# KiCad board MegaDrive.kicad_pcb (continued)
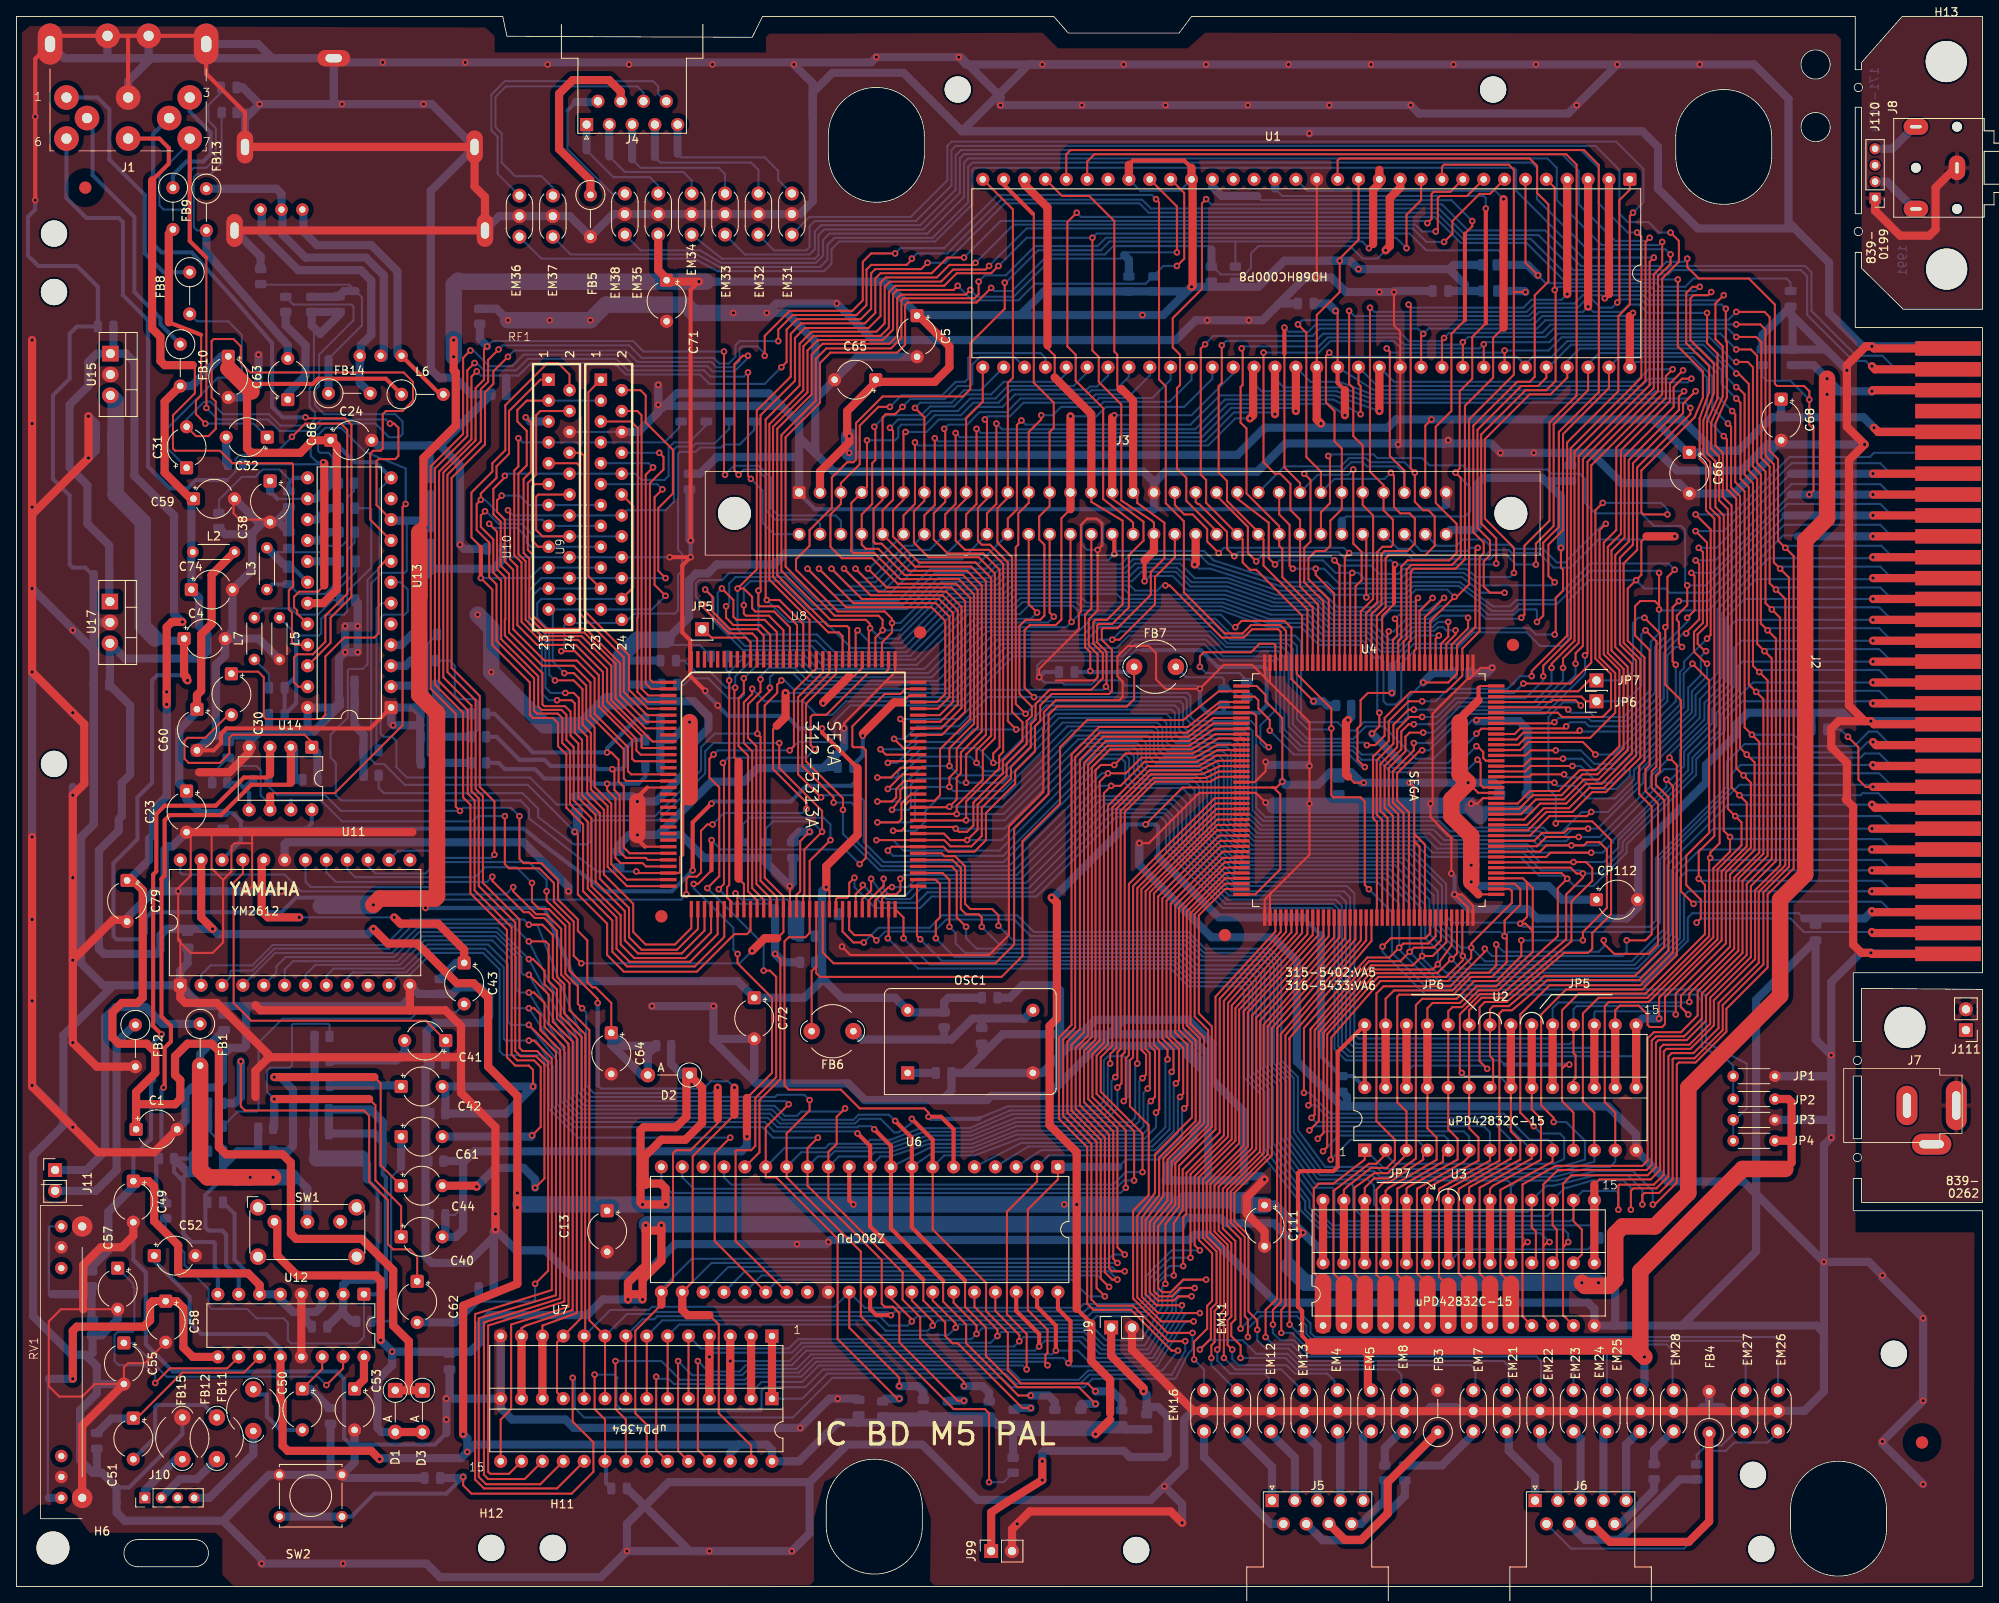
[diagram p0: board, top side]
## Library data of the parts
C1 C4 C5 C13 C23 C24 C30-C32 C38 C40-C44 C49-C53 C55 C57-C66 C68 C71 C72 C74 C79 C86 C111 CP112 = -: ki_fp_filters: CP_*
C2 C3 C6-C11 C14-C22 C25-C29 C33-C35 C37 C39 C45-C48 C69 C73 C75 C77 C78 C80-C83 C85 C87-C96 C102 C103 C105-C110 C112-C122 = -: ki_fp_filters: C_*
D1-D3 = -: Sim.Device: D; Sim.Pins: 1=K 2=A; ki_fp_filters: TO-???* *_Diode_* *SingleDiode* D_*
FB1-FB15 = -: ki_fp_filters: Inductor_* L_* *Ferrite*
FID1-FID6 = -: ki_fp_filters: Fiducial*
H1-H15 = -: ki_fp_filters: MountingHole*
J1 = -: Datasheet: http://www.mouser.com/ds/2/18/40_c091_abd_e-75918.pdf; ki_fp_filters: DIN*
J2 J3 = -: ki_fp_filters: Connector*:*_2x??_*
J4 = -: Description: 9-pin D-SUB connector, socket (female); ki_fp_filters: DSUB*Socket*
J5 J6 = -: Description: 9-pin D-SUB connector, pins (male); ki_fp_filters: DSUB*Pins*
J7 = -: ki_fp_filters: BarrelJack*
J8 = -: ki_fp_filters: Jack*
J9-J11 J99 J110 J111 JP5-JP7 = -: ki_fp_filters: Connector*:*_1x??_*
JP1-JP4 = -: ki_fp_filters: Jumper* TestPoint*2Pads* TestPoint*Bridge*
L2 L3 L5-L7 = -: ki_fp_filters: Choke_* *Coil* Inductor_* L_*
NT101 = -: Description: Net tie, 2 pins; ki_fp_filters: Net*Tie*
OSC1 = -: Datasheet: http://www.golledge.com/pdf/products/tcxos/gtxos14.pdf; Description: Voltage-Controlled Crystal Clock Oscillator, DIP14-style metal package; ki_fp_filters: Oscillator*DIP*14*
R1 R3-R12 R14-R43 R49-R59 R64-R74 R77-R85 = -: ki_fp_filters: R_*
RV1 = -: Description: Potentiometer; Sim.Device: R; Sim.Type: POT; Sim.Pins: 1=r0 2=wiper 3=r1; ki_fp_filters: Potentiometer*
U1 = -: Datasheet: https://www.nxp.com/docs/en/reference-manual/MC68000UM.pdf; Description: 16/32-bit microprocessor, 16-bit external data bus, 23-bit external address bus (effectively 24-bit), DIP-64 (900 mil, case 754-01); ki_fp_filters: DIP*W22.86mm*
U2 U3 = -: Datasheet: https://ecee.colorado.edu/~mcclurel/Cypress_SRAM_CY62256.pdf; ki_fp_filters: DIP*W15.24mm*
U6 = -: Datasheet: www.zilog.com/manage_directlink.php?filepath=docs/z80/um0080; ki_fp_filters: DIP* PDIP*
U7 = -: Datasheet: https://pdf1.alldatasheet.com/datasheet-pdf/view/107823/NEC/UPD4364.html; ki_fp_filters: DIP28
U9 U10 = -: Datasheet: https://segaretro.org/images/0/08/Sega_Service_Manual_-_Genesis_-_Mega_Drive_PAL_-_Mega_CD_-_Sega_CD_-_010_-_April_1994.pdf; ki_fp_filters: *ZIP*
U12 = -: Datasheet: https://pdf.datasheetcatalog.com/datasheet/sony/CXA1034P.pdf
U14 = -: Datasheet: http://www.ti.com/lit/ds/symlink/lm2904-n.pdf; ki_fp_filters: SOIC*3.9x4.9mm*P1.27mm* DIP*W7.62mm* TO*99* OnSemi*Micro8* TSSOP*3x3mm*P0.65mm* TSSOP*4.4x3mm*P0.65mm* MSOP*3x3mm*P0.65mm* SSOP*3.9x4.9mm*P0.635mm* LFCSP*2x2mm*P0.5mm* *SIP* SOIC*5.3x6.2mm*P1.27mm*
U15 U17 = -: Datasheet: http://www.st.com/content/ccc/resource/technical/document/datasheet/41/4f/b3/b0/12/d4/47/88/CD00000444.pdf/files/CD00000444.pdf/jcr:content/translations/en.CD00000444.pdf; ki_fp_filters: TO?252* TO?263* TO?220*

## Footprints (pads in the part's own frame, mm; a bottom-side part is the same pattern mirrored in y, then rotated)
BarrelJack_CUI_PJ-002A_Horizontal
  oval 2.54x6 hole 1x3.5: 1(5.1,-6.3)
  oval 2.54x4.8 hole 1x3: 2(-0.9,-6.3)
  oval 4.8x2.54 hole 3x1: 2(2.1,-11)
C_0805_2012Metric
  rrect 1x1.45 smd: 1(-0.95,0) 2(0.95,0)
CP_Radial_Tantal_D4.5mm_P5.00mm
  rrect 1.6x1.6 hole 0.8: 1(0,0)
  round 1.6 hole 0.8: 2(5,0)
D_A-405_P5.08mm_Vertical_AnodeUp
  rrect 1.8x1.8 hole 0.9: 1(0,0)
  round 1.8 hole 0.9: 2(5.08,0)
DIN8Video
  round 3 hole 1.25: 1(-7.5,-5) 2(-2.5,2.5) 2(0,-5) 2(2.5,2.5) 3(7.5,-5) 4(-5,-7.5) 5(5,-7.5) 6(-7.5,-10) 7(7.5,-10) 8(0,-10)
  oval 3x5 hole 1.25x2: 2(-9.5,1.5) 2(9.5,1.5)
DIP-8_W7.62mm
  rrect 1.6x1.6 hole 0.8: 1(0,0)
  round 1.6 hole 0.8: 2(0,-2.54) 3(0,-5.08) 4(0,-7.62) 5(7.62,-7.62) 6(7.62,-5.08) 7(7.62,-2.54) 8(7.62,0)
DIP-16_W7.62mm
  rrect 1.6x1.6 hole 0.8: 1(0,0)
  round 1.6 hole 0.8: 2(0,-2.54) 3(0,-5.08) 4(0,-7.62) 5(0,-10.16) 6(0,-12.7) 7(0,-15.24) 8(0,-17.78) 9(7.62,-17.78) 10(7.62,-15.24) 11(7.62,-12.7) 12(7.62,-10.16) 13(7.62,-7.62) 14(7.62,-5.08) 15(7.62,-2.54) 16(7.62,0)
DIP-24_W10.16mm
  rrect 1.6x1.6 hole 0.8: 1(0,0)
  round 1.6 hole 0.8: 2(0,-2.54) 3(0,-5.08) 4(0,-7.62) 5(0,-10.16) 6(0,-12.7) 7(0,-15.24) 8(0,-17.78) 9(0,-20.32) 10(0,-22.86) 11(0,-25.4) 12(0,-27.94) 13(10.16,-27.94) 14(10.16,-25.4) 15(10.16,-22.86) 16(10.16,-20.32) 17(10.16,-17.78) 18(10.16,-15.24) 19(10.16,-12.7) 20(10.16,-10.16) 21(10.16,-7.62) 22(10.16,-5.08) 23(10.16,-2.54) 24(10.16,0)
DIP-24_W15.24mm
  rrect 1.6x1.6 hole 0.8: 1(0,0)
  round 1.6 hole 0.8: 2(0,-2.54) 3(0,-5.08) 4(0,-7.62) 5(0,-10.16) 6(0,-12.7) 7(0,-15.24) 8(0,-17.78) 9(0,-20.32) 10(0,-22.86) 11(0,-25.4) 12(0,-27.94) 13(15.24,-27.94) 14(15.24,-25.4) 15(15.24,-22.86) 16(15.24,-20.32) 17(15.24,-17.78) 18(15.24,-15.24) 19(15.24,-12.7) 20(15.24,-10.16) 21(15.24,-7.62) 22(15.24,-5.08) 23(15.24,-2.54) 24(15.24,0)
DIP-28_DoubleFirst
  rect 1.6x1.6 hole 0.8: 1(0,0) 1(7.62,0)
  oval 1.6x1.6 hole 0.8: 2(0,-2.54) 2(7.62,-2.54) 3(0,-5.08) 3(7.62,-5.08) 4(0,-7.62) 4(7.62,-7.62) 5(0,-10.16) 5(7.62,-10.16) 6(0,-12.7) 6(7.62,-12.7) 7(0,-15.24) 7(7.62,-15.24) 8(0,-17.78) 8(7.62,-17.78) 9(0,-20.32) 9(7.62,-20.32) 10(0,-22.86) 10(7.62,-22.86) 11(0,-25.4) 11(7.62,-25.4) 12(0,-27.94) 12(7.62,-27.94) 13(0,-30.48) 13(7.62,-30.48) 14(0,-33.02) 14(7.62,-33.02) 15(15.24,-33.02) 16(15.24,-30.48) 17(15.24,-27.94) 18(15.24,-25.4) 19(15.24,-22.86) 20(15.24,-20.32) 21(15.24,-17.78) 22(15.24,-15.24) 23(15.24,-12.7) 24(15.24,-10.16) 25(15.24,-7.62) 26(15.24,-5.08) 27(15.24,-2.54) 28(15.24,0)
DIP-28_DoubleLast
  rect 1.6x1.6 hole 0.8: 1(0,0)
  oval 1.6x1.6 hole 0.8: 2(0,-2.54) 3(0,-5.08) 4(0,-7.62) 5(0,-10.16) 6(0,-12.7) 7(0,-15.24) 8(0,-17.78) 9(0,-20.32) 10(0,-22.86) 11(0,-25.4) 12(0,-27.94) 13(0,-30.48) 14(0,-33.02) 15(7.62,-33.02) 15(15.24,-33.02) 16(7.62,-30.48) 16(15.24,-30.48) 17(7.62,-27.94) 17(15.24,-27.94) 18(7.62,-25.4) 18(15.24,-25.4) 19(7.62,-22.86) 19(15.24,-22.86) 20(7.62,-20.32) 20(15.24,-20.32) 21(7.62,-17.78) 21(15.24,-17.78) 22(7.62,-15.24) 22(15.24,-15.24) 23(7.62,-12.7) 23(15.24,-12.7) 24(7.62,-10.16) 24(15.24,-10.16) 25(7.62,-7.62) 25(15.24,-7.62) 26(7.62,-5.08) 26(15.24,-5.08) 27(7.62,-2.54) 27(15.24,-2.54) 28(7.62,0) 28(15.24,0)
DIP-40_W15.24mm
  rrect 1.6x1.6 hole 0.8: 1(0,0)
  round 1.6 hole 0.8: 2(0,-2.54) 3(0,-5.08) 4(0,-7.62) 5(0,-10.16) 6(0,-12.7) 7(0,-15.24) 8(0,-17.78) 9(0,-20.32) 10(0,-22.86) 11(0,-25.4) 12(0,-27.94) 13(0,-30.48) 14(0,-33.02) 15(0,-35.56) 16(0,-38.1) 17(0,-40.64) 18(0,-43.18) 19(0,-45.72) 20(0,-48.26) 21(15.24,-48.26) 22(15.24,-45.72) 23(15.24,-43.18) 24(15.24,-40.64) 25(15.24,-38.1) 26(15.24,-35.56) 27(15.24,-33.02) 28(15.24,-30.48) 29(15.24,-27.94) 30(15.24,-25.4) 31(15.24,-22.86) 32(15.24,-20.32) 33(15.24,-17.78) 34(15.24,-15.24) 35(15.24,-12.7) 36(15.24,-10.16) 37(15.24,-7.62) 38(15.24,-5.08) 39(15.24,-2.54) 40(15.24,0)
DIP-64_W22.86mm
  rrect 1.6x1.6 hole 0.8: 1(0,0)
  round 1.6 hole 0.8: 2(0,-2.54) 3(0,-5.08) 4(0,-7.62) 5(0,-10.16) 6(0,-12.7) 7(0,-15.24) 8(0,-17.78) 9(0,-20.32) 10(0,-22.86) 11(0,-25.4) 12(0,-27.94) 13(0,-30.48) 14(0,-33.02) 15(0,-35.56) 16(0,-38.1) 17(0,-40.64) 18(0,-43.18) 19(0,-45.72) 20(0,-48.26) 21(0,-50.8) 22(0,-53.34) 23(0,-55.88) 24(0,-58.42) 25(0,-60.96) 26(0,-63.5) 27(0,-66.04) 28(0,-68.58) 29(0,-71.12) 30(0,-73.66) 31(0,-76.2) 32(0,-78.74) 33(22.86,-78.74) 34(22.86,-76.2) 35(22.86,-73.66) 36(22.86,-71.12) 37(22.86,-68.58) 38(22.86,-66.04) 39(22.86,-63.5) 40(22.86,-60.96) 41(22.86,-58.42) 42(22.86,-55.88) 43(22.86,-53.34) 44(22.86,-50.8) 45(22.86,-48.26) 46(22.86,-45.72) 47(22.86,-43.18) 48(22.86,-40.64) 49(22.86,-38.1) 50(22.86,-35.56) 51(22.86,-33.02) 52(22.86,-30.48) 53(22.86,-27.94) 54(22.86,-25.4) 55(22.86,-22.86) 56(22.86,-20.32) 57(22.86,-17.78) 58(22.86,-15.24) 59(22.86,-12.7) 60(22.86,-10.16) 61(22.86,-7.62) 62(22.86,-5.08) 63(22.86,-2.54) 64(22.86,0)
DSUB-9_Pins_Horizontal_P2.77x2.84mm_EdgePinOffset9.40mm
  rect 1.6x1.6 hole 1: 1(0,0)
  round 1.6 hole 1: 2(2.77,0) 3(5.54,0) 4(8.31,0) 5(11.08,0) 6(1.385,-2.84) 7(4.155,-2.84) 8(6.925,-2.84) 9(9.695,-2.84)
DSUB-9_Socket_Horizontal_P2.77x2.84mm_EdgePinOffset9.40mm
  rect 1.6x1.6 hole 1: 1(0,0)
  round 1.6 hole 1: 2(-2.77,0) 3(-5.54,0) 4(-8.31,0) 5(-11.08,0) 6(-1.385,-2.84) 7(-4.155,-2.84) 8(-6.925,-2.84) 9(-9.695,-2.84)
Expansion
  rect 1.75x8 smd: a1(-35.56,-2.54) a2(-33.02,-2.54) a3(-30.48,-2.54) a4(-27.94,-2.54) a5(-25.4,-2.54) a6(-22.86,-2.54) a7(-20.32,-2.54) a8(-17.78,-2.54) a9(-15.24,-2.54) a10(-12.7,-2.54) a11(-10.16,-2.54) a12(-7.62,-2.54) a13(-5.08,-2.54) a14(-2.54,-2.54) a15(0,-2.54) a16(2.54,-2.54) a17(5.08,-2.54) a18(7.62,-2.54) a19(10.16,-2.54) a20(12.7,-2.54) a21(15.24,-2.54) a22(17.78,-2.54) a23(20.32,-2.54) a24(22.86,-2.54) a25(25.4,-2.54) a26(27.94,-2.54) a27(30.48,-2.54) a28(33.02,-2.54) a29(35.56,-2.54) a30(38.1,-2.54)
  rect 1.75x8 smd far side: b1(-35.56,-2.54) b2(-33.02,-2.54) b3(-30.48,-2.54) b4(-27.94,-2.54) b5(-25.4,-2.54) b6(-22.86,-2.54) b7(-20.32,-2.54) b8(-17.78,-2.54) b9(-15.24,-2.54) b10(-12.7,-2.54) b11(-10.16,-2.54) b12(-7.62,-2.54) b13(-5.08,-2.54) b14(-2.54,-2.54) b15(0,-2.54) b16(2.54,-2.54) b17(5.08,-2.54) b18(7.62,-2.54) b19(10.16,-2.54) b20(12.7,-2.54) b21(15.24,-2.54) b22(17.78,-2.54) b23(20.32,-2.54) b24(22.86,-2.54) b25(25.4,-2.54) b26(27.94,-2.54) b27(30.48,-2.54) b28(33.02,-2.54) b29(35.56,-2.54) b30(38.1,-2.54)
Fiducial_1.5mm_Mask4.5mm
  round 1.5 smd: (0,0)
HeadphoneVolumeSlider
  round 1.524 hole 0.762: 1(-2.54,-7.62) 1(-2.54,-35.56) 2(-2.54,-10.16) 2(-2.54,-38.1) 3(-2.54,-5.08) 3(-2.54,-33.02)
  round 2.5 hole 1: 1(0,-5.08) 1(0,-38.1)
Jack_3.5mm
  round 1.2 hole 1.2 unplated: (-5,0) (0,5) (5,0)
  oval 2x3 hole 0.4x1.4: R(-5,5) T(5,5)
  oval 3x2 hole 1.4x0.4: S(0,0)
L_Axial_L7.0mm_D3.3mm_P5.08mm_Vertical_Fastron_MICC
  round 1.6 hole 0.8: 1(0,0) 2(5.08,0)
LairdTech_28C0236-0JW-10
  round 2 hole 0.8: 1(0,0) 2(5.08,0)
MountingHole_3.2mm_M3
  round 3.2 hole 3.2 unplated: (0,0)
MountingHole_4mm
  round 4 hole 4 unplated: (0,0)
MountingHole_5mm
  round 5 hole 5 unplated: (0,0)
NetTie-2_SMD_Pad2.0mm
  round 2 smd: 1(-2,0) 2(2,0)
Oscillator_DIP-14
  rect 1.6x1.6 hole 0.8: 1(0,0)
  round 1.6 hole 0.8: 7(15.24,0) 8(15.24,7.62) 14(0,7.62)
PinHeader_1x02_P2.54mm_Vertical
  rect 1.7x1.7 hole 1: 1(0,0)
  round 1.7 hole 1: 2(0,-2.54)
PinHeader_1x04_P2.00mm_Vertical
  rect 1.35x1.35 hole 0.8: 1(0,0)
  round 1.35 hole 0.8: 2(0,-2) 3(0,-4) 4(0,-6)
PinSocket_1x01_P2.54mm_Vertical
  rect 1.7x1.7 hole 1: 1(0,0)
PinSocket_1x02_P2.54mm_Vertical
  rect 1.7x1.7 hole 1: 1(0,0)
  round 1.7 hole 1: 2(0,-2.54)
QFP128
  rect 0.4x2 smd: 1(-12.4,-15.2) 2(-11.6,-15.2) 3(-10.8,-15.2) 4(-10,-15.2) 5(-9.2,-15.2) 6(-8.4,-15.2) 7(-7.6,-15.2) 8(-6.8,-15.2) 9(-6,-15.2) 10(-5.2,-15.2) 11(-4.4,-15.2) 12(-3.6,-15.2) 13(-2.8,-15.2) 14(-2,-15.2) 15(-1.2,-15.2) 16(-0.4,-15.2) 17(0.4,-15.2) 18(1.2,-15.2) 19(2,-15.2) 20(2.8,-15.2) 21(3.6,-15.2) 22(4.4,-15.2) 23(5.2,-15.2) 24(6,-15.2) 25(6.8,-15.2) 26(7.6,-15.2) 27(8.4,-15.2) 28(9.2,-15.2) 29(10,-15.2) 30(10.8,-15.2) 31(11.6,-15.2) 32(12.4,-15.2) 65(12.4,15.2) 66(11.6,15.2) 67(10.8,15.2) 68(10,15.2) 69(9.2,15.2) 70(8.4,15.2) 71(7.6,15.2) 72(6.8,15.2) 73(6,15.2) 74(5.2,15.2) 75(4.4,15.2) 76(3.6,15.2) 77(2.8,15.2) 78(2,15.2) 79(1.2,15.2) 80(0.4,15.2) 81(-0.4,15.2) 82(-1.2,15.2) 83(-2,15.2) 84(-2.8,15.2) 85(-3.6,15.2) 86(-4.4,15.2) 87(-5.2,15.2) 88(-6,15.2) 89(-6.8,15.2) 90(-7.6,15.2) 91(-8.4,15.2) 92(-9.2,15.2) 93(-10,15.2) 94(-10.8,15.2) 95(-11.6,15.2) 96(-12.4,15.2)
  rect 2x0.4 smd: 33(15.2,-12.4) 34(15.2,-11.6) 35(15.2,-10.8) 36(15.2,-10) 37(15.2,-9.2) 38(15.2,-8.4) 39(15.2,-7.6) 40(15.2,-6.8) 41(15.2,-6) 42(15.2,-5.2) 43(15.2,-4.4) 44(15.2,-3.6) 45(15.2,-2.8) 46(15.2,-2) 47(15.2,-1.2) 48(15.2,-0.4) 49(15.2,0.4) 50(15.2,1.2) 51(15.2,2) 52(15.2,2.8) 53(15.2,3.6) 54(15.2,4.4) 55(15.2,5.2) 56(15.2,6) 57(15.2,6.8) 58(15.2,7.6) 59(15.2,8.4) 60(15.2,9.2) 61(15.2,10) 62(15.2,10.8) 63(15.2,11.6) 64(15.2,12.4) 97(-15.2,12.4) 98(-15.2,11.6) 99(-15.2,10.8) 100(-15.2,10) 101(-15.2,9.2) 102(-15.2,8.4) 103(-15.2,7.6) 104(-15.2,6.8) 105(-15.2,6) 106(-15.2,5.2) 107(-15.2,4.4) 108(-15.2,3.6) 109(-15.2,2.8) 110(-15.2,2) 111(-15.2,1.2) 112(-15.2,0.4) 113(-15.2,-0.4) 114(-15.2,-1.2) 115(-15.2,-2) 116(-15.2,-2.8) 117(-15.2,-3.6) 118(-15.2,-4.4) 119(-15.2,-5.2) 120(-15.2,-6) 121(-15.2,-6.8) 122(-15.2,-7.6) 123(-15.2,-8.4) 124(-15.2,-9.2) 125(-15.2,-10) 126(-15.2,-10.8) 127(-15.2,-11.6) 128(-15.2,-12.4)
QFP-160_28x28_Pitch0.65mm
  rect 2x0.4 smd: 1(-15.5,12.675) 2(-15.5,12.025) 3(-15.5,11.375) 4(-15.5,10.725) 5(-15.5,10.075) 6(-15.5,9.425) 7(-15.5,8.775) 8(-15.5,8.125) 9(-15.5,7.475) 10(-15.5,6.825) 11(-15.5,6.175) 12(-15.5,5.525) 13(-15.5,4.875) 14(-15.5,4.225) 15(-15.5,3.575) 16(-15.5,2.925) 17(-15.5,2.275) 18(-15.5,1.625) 19(-15.5,0.975) 20(-15.5,0.325) 21(-15.5,-0.325) 22(-15.5,-0.975) 23(-15.5,-1.625) 24(-15.5,-2.275) 25(-15.5,-2.925) 26(-15.5,-3.575) 27(-15.5,-4.225) 28(-15.5,-4.875) 29(-15.5,-5.525) 30(-15.5,-6.175) 31(-15.5,-6.825) 32(-15.5,-7.475) 33(-15.5,-8.125) 34(-15.5,-8.775) 35(-15.5,-9.425) 36(-15.5,-10.075) 37(-15.5,-10.725) 38(-15.5,-11.375) 39(-15.5,-12.025) 40(-15.5,-12.675) 81(15.5,-12.675) 82(15.5,-12.025) 83(15.5,-11.375) 84(15.5,-10.725) 85(15.5,-10.075) 86(15.5,-9.425) 87(15.5,-8.775) 88(15.5,-8.125) 89(15.5,-7.475) 90(15.5,-6.825) 91(15.5,-6.175) 92(15.5,-5.525) 93(15.5,-4.875) 94(15.5,-4.225) 95(15.5,-3.575) 96(15.5,-2.925) 97(15.5,-2.275) 98(15.5,-1.625) 99(15.5,-0.975) 100(15.5,-0.325) 101(15.5,0.325) 102(15.5,0.975) 103(15.5,1.625) 104(15.5,2.275) 105(15.5,2.925) 106(15.5,3.575) 107(15.5,4.225) 108(15.5,4.875) 109(15.5,5.525) 110(15.5,6.175) 111(15.5,6.825) 112(15.5,7.475) 113(15.5,8.125) 114(15.5,8.775) 115(15.5,9.425) 116(15.5,10.075) 117(15.5,10.725) 118(15.5,11.375) 119(15.5,12.025) 120(15.5,12.675)
  rect 0.4x2 smd: 41(-12.675,-15.5) 42(-12.025,-15.5) 43(-11.375,-15.5) 44(-10.725,-15.5) 45(-10.075,-15.5) 46(-9.425,-15.5) 47(-8.775,-15.5) 48(-8.125,-15.5) 49(-7.475,-15.5) 50(-6.825,-15.5) 51(-6.175,-15.5) 52(-5.525,-15.5) 53(-4.875,-15.5) 54(-4.225,-15.5) 55(-3.575,-15.5) 56(-2.925,-15.5) 57(-2.275,-15.5) 58(-1.625,-15.5) 59(-0.975,-15.5) 60(-0.325,-15.5) 61(0.325,-15.5) 62(0.975,-15.5) 63(1.625,-15.5) 64(2.275,-15.5) 65(2.925,-15.5) 66(3.575,-15.5) 67(4.225,-15.5) 68(4.875,-15.5) 69(5.525,-15.5) 70(6.175,-15.5) 71(6.825,-15.5) 72(7.475,-15.5) 73(8.125,-15.5) 74(8.775,-15.5) 75(9.425,-15.5) 76(10.075,-15.5) 77(10.725,-15.5) 78(11.375,-15.5) 79(12.025,-15.5) 80(12.675,-15.5) 121(12.675,15.5) 122(12.025,15.5) 123(11.375,15.5) 124(10.725,15.5) 125(10.075,15.5) 126(9.425,15.5) 127(8.775,15.5) 128(8.125,15.5) 129(7.475,15.5) 130(6.825,15.5) 131(6.175,15.5) 132(5.525,15.5) 133(4.875,15.5) 134(4.225,15.5) 135(3.575,15.5) 136(2.925,15.5) 137(2.275,15.5) 138(1.625,15.5) 139(0.975,15.5) 140(0.325,15.5) 141(-0.325,15.5) 142(-0.975,15.5) 143(-1.625,15.5) 144(-2.275,15.5) 145(-2.925,15.5) 146(-3.575,15.5) 147(-4.225,15.5) 148(-4.875,15.5) 149(-5.525,15.5) 150(-6.175,15.5) 151(-6.825,15.5) 152(-7.475,15.5) 153(-8.125,15.5) 154(-8.775,15.5) 155(-9.425,15.5) 156(-10.075,15.5) 157(-10.725,15.5) 158(-11.375,15.5) 159(-12.025,15.5) 160(-12.675,15.5)
R_0805_2012Metric
  rrect 1.025x1.4 smd: 1(-0.912,0) 2(0.912,0)
R_Axial_DIN0204_L3.6mm_D1.6mm_P5.08mm_Horizontal
  round 1.4 hole 0.7: 1(0,0) 2(5.08,0)
Resonator-3Pin_W6.0mm_H3.0mm
  round 1.7 hole 1: 1(0,0) 2(2.5,0) 3(5,0)
RFmod
  round 1.524 hole 0.762: 1(-6.985,-25.4) 1(5.08,-43.18) 2(-9.525,-25.4) 2(2.54,-43.18) 3(-12.065,-25.4) 3(0,-43.18)
  oval 2x4 hole 1x2: 4(-15.24,-27.94) 4(-13.97,-17.78) 4(13.97,-17.78) 4(15.24,-27.94)
  oval 4x2 hole 2x1: 4(-3.175,-6.985)
SEGA_2x32_Female_Vertical_THT
  round 4 hole 4 unplated: (-47.244,0) (47.244,0)
  rrect 1.55x1.55 hole 1: a1(-39.37,2.54)
  round 1.55 hole 1: a2(-36.83,2.54) a3(-34.29,2.54) a4(-31.75,2.54) a5(-29.21,2.54) a6(-26.67,2.54) a7(-24.13,2.54) a8(-21.59,2.54) a9(-19.05,2.54) a10(-16.51,2.54) a11(-13.97,2.54) a12(-11.43,2.54) a13(-8.89,2.54) a14(-6.35,2.54) a15(-3.81,2.54) a16(-1.27,2.54) a17(1.27,2.54) a18(3.81,2.54) a19(6.35,2.54) a20(8.89,2.54) a21(11.43,2.54) a22(13.97,2.54) a23(16.51,2.54) a24(19.05,2.54) a25(21.59,2.54) a26(24.13,2.54) a27(26.67,2.54) a28(29.21,2.54) a29(31.75,2.54) a30(34.29,2.54) a31(36.83,2.54) a32(39.37,2.54) b1(-39.37,-2.54) b2(-36.83,-2.54) b3(-34.29,-2.54) b4(-31.75,-2.54) b5(-29.21,-2.54) b6(-26.67,-2.54) b7(-24.13,-2.54) b8(-21.59,-2.54) b9(-19.05,-2.54) b10(-16.51,-2.54) b11(-13.97,-2.54) b12(-11.43,-2.54) b13(-8.89,-2.54) b14(-6.35,-2.54) b15(-3.81,-2.54) b16(-1.27,-2.54) b17(1.27,-2.54) b18(3.81,-2.54) b19(6.35,-2.54) b20(8.89,-2.54) b21(11.43,-2.54) b22(13.97,-2.54) b23(16.51,-2.54) b24(19.05,-2.54) b25(21.59,-2.54) b26(24.13,-2.54) b27(26.67,-2.54) b28(29.21,-2.54) b29(31.75,-2.54) b30(34.29,-2.54) b31(36.83,-2.54) b32(39.37,-2.54)
SW_E-Switch_EG1224_SPDT_Angled
  round 2 hole 1.2: (-2,1.75) (-2,-4.25) (10,1.75) (10,-4.25)
  round 1.7 hole 0.9: 1(0,0) 2(4,0) 3(8,0)
SW_Tactile_Straight_KSA0Axx1LFTR
  round 1.397 hole 0.813: 1(0,0) 1(7.62,0) 2(0,-5.08) 2(7.62,-5.08)
TO-220-3_Vertical
  rect 1.905x2 hole 1.1: 1(0,0)
  oval 1.905x2 hole 1.1: 2(2.54,0) 3(5.08,0)
ZIP-24
  rect 1.524x1.524 hole 0.762: 1(-1.27,-5.08)
  round 1.524 hole 0.762: 2(1.27,-6.35) 3(-1.27,-7.62) 4(1.27,-8.89) 5(-1.27,-10.16) 6(1.27,-11.43) 7(-1.27,-12.7) 8(1.27,-13.97) 9(-1.27,-15.24) 10(1.27,-16.51) 11(-1.27,-17.78) 12(1.27,-19.05) 13(-1.27,-20.32) 14(1.27,-21.59) 15(-1.27,-22.86) 16(1.27,-24.13) 17(-1.27,-25.4) 18(1.27,-26.67) 19(-1.27,-27.94) 20(1.27,-29.21) 21(-1.27,-30.48) 22(1.27,-31.75) 23(-1.27,-33.02) 24(1.27,-34.29)

## Nets
+9V: C1.1 C2.1 C79.1 C83.1 D1.1 D3.1 U15.1 U17.1
+9VA: C89.1 C91.1 D1.2 D3.2 J2.a28 J2.b28 SW1.1
GND: C1.2 C2.2 C3.2 C4.2 C5.2 C6.2 C7.2 C8.2 C9.2 C10.2 C11.2 C13.2 C14.2 C15.2 C16.2 C17.2 C18.2 C19.2 C20.2 C21.2 C22.2 C23.2 C24.2 C29.2 C34.2 C37.2 C38.2 C39.2 C49.2 C52.2 C53.2 C55.2 C57.2 C58.2 C59.2 C60.2 C63.2 C64.2 C65.2 C66.2 C68.2 C69.1 C71.2 C72.2 C73.2 C74.2 C75.2 C77.1 C78.2 C79.2 C80.2 C81.1 C82.2 C83.2 C85.1 C88.2 C89.2 C90.2 C91.2 C92.1 C93.2 C94.1 C95.2 C102.2 C103.2 C105.2 C106.2 C107.2 C108.2 C109.2 C110.2 C111.2 C112.1 C113.2 C114.2 C115.2 C116.2 C117.2 C118.2 C119.2 C120.2 C121.2 C122.2 CP112.2 EM4.2 EM5.2 EM7.2 EM8.2 EM11.2 EM12.2 EM13.2 EM16.2 EM21.2 EM22.2 EM23.2 EM24.2 EM25.2 EM26.2 EM27.2 EM28.2 EM31.2 EM32.2 EM33.2 EM34.2 EM35.2 EM36.2 EM37.2 EM38.2 FB2.2 FB3.2 FB4.2 FB5.2 FB15.2 J1.2 J2.a1 J2.a12 J2.a30 J2.b1 J2.b12 J2.b30 J3.a1 J3.a18 J3.a32 J9.2 J99.2 JP1.2 JP3.2 L5.1 OSC1.7 R18.1 R20.1 R22.1 R24.1 R26.1 R30.1 R31.2 R32.1 R33.1 R49.1 R50.1 R53.2 R54.2 R66.2 R71.1 R73.1 RF1.4 RV1.1 SW2.1 U1.16 U1.53 U2.14 U3.14 U4.19 U4.21 U4.41 U4.42 U4.79 U4.80 U4.99 U4.121 U4.122 U4.159 U4.160 U6.29 U7.14 U8.17 U8.26 U8.48 U8.96 U8.97 U9.6 U10.6 U11.1 U11.12 U11.19 U12.4 U12.13 U13.1 U13.24 U14.4 U15.2 U17.2
VCC: C3.1 C4.1 C5.1 C6.1 C18.1 C19.1 C20.1 C21.1 C65.1 C66.1 C68.1 C71.1 C72.1 EM35.1 J2.a26 J2.b26 J3.a2 J3.a31 OSC1.14 R8.2 R9.2 R10.2 R11.2 R12.2 R14.2 R15.2 R16.1 R68.2 R69.2 U1.14 U1.22 U1.25 U1.49 U8.54 U8.128 U9.18 U10.18 U15.3
VCCQ: C7.1 C8.1 C9.1 C10.1 C13.1 C14.1 C15.1 C22.1 C52.1 C59.1 C63.1 C73.1 C74.1 C111.1 CP112.1 D2.1 EM5.1 EM25.1 FB10.2 JP2.2 JP4.2 L2.1 NT101.1 R1.1 R3.1 R59.1 R67.2 R77.1 R78.1 R79.1 R80.1 R81.1 R82.1 R83.1 R84.1 U2.28 U3.28 U4.1 U4.20 U4.40 U4.69 U4.70 U4.71 U4.81 U4.100 U4.120 U6.11 U7.26 U7.28 U11.23 U12.12 U17.3
VDDA: C17.1 C23.1 C60.1 C69.2 L2.2 U8.94 U11.22 U14.8
VDDF: C16.1 C24.1 L6.1 NT101.2 R55.1 R56.1 R57.1 U8.30 U13.12 U13.19
/A0: U8.31 U9.11 U9.23 U10.23
/A1: U8.32 U9.12 U9.22 U10.22
/A2: U8.33 U9.1 U9.21 U10.21
/A3: U8.34 U9.2 U9.20 U10.20
/A4: U8.35 U9.17 U10.11 U10.17
/A5: U8.36 U9.16 U10.12 U10.16
/A6: U8.37 U9.15 U10.1 U10.15
/A7: U8.38 U9.19 U10.2 U10.19
/AudioShield: J8.S J110.1
/BG: U1.11 U4.130 U8.101
/BGACK: R11.1 U1.12 U4.131 U8.100
/BR: R12.1 U1.13 U4.132 U8.99
/DCin1: J7.1 J111.2
/DCin2: J7.2 J111.1
/EDCK: C112.2 FB7.1 J3.b15 U8.53
/FC0: U1.28 U4.136
/FC1: U1.27 U4.137
/FRES: J2.a25 U4.105
/iA14: U2.26 U4.117
/IPL1: R10.1 U1.24 U8.104
/IPL2: R9.1 U1.23 U8.105
/NTSC: JP3.1 JP4.1 U4.154 U8.46 U13.7
/SD0: U8.1 U9.8
/SD1: U8.2 U9.9
/SD2: U8.3 U9.4
/SD3: U8.4 U9.5
/SD4: U8.5 U10.8
/SD5: U8.6 U10.9
/SD6: U8.7 U10.4
/SD7: U8.8 U10.5
/SL1: C42.2 J3.b1 R32.2
/SL2: C61.2 J2.b29 R50.2
/SR1: C44.2 J3.b3 R33.2
/SR2: C62.2 J2.a29 R49.2
/VA1: C90.1 J2.b3 J3.a17 U1.29 U2.10 U3.10 U4.73 U8.71
/VA2: J2.b4 J3.a15 U1.30 U2.9 U3.9 U4.74 U8.72
/VA3: J2.b5 J3.a13 U1.31 U2.8 U3.8 U4.75 U8.73
/VA4: J2.b6 J3.a11 U1.32 U2.7 U3.7 U4.76 U8.74
/VA5: J2.b7 J3.a9 U1.33 U2.6 U3.6 U4.77 U8.75
/VA6: J2.b8 J3.a7 U1.34 U2.5 U3.5 U4.78 U8.76
/VA7: C120.1 J2.b9 J3.a5 U1.35 U2.4 U3.4 U4.82 U8.77
/VA8: J2.b10 J3.a3 U1.36 U2.3 U3.3 U4.83 U8.78
/VA9: J2.b11 J3.b4 U1.37 U2.25 U3.25 U4.84 U8.79
/VA10: J2.b13 J3.b5 U1.38 U2.24 U3.24 U4.85 U8.80
/VA11: J2.b14 J3.a4 U1.39 U2.21 U3.21 U4.86 U8.81
/VA12: J2.b15 J3.a6 U1.40 U2.23 U3.23 U4.87 U8.82
/VA13: J2.b16 J3.a8 U1.41 U2.2 U3.2 U4.88 U8.83
/VA14: J2.b17 J3.a10 U1.42 U3.26 U4.89 U8.84
/VA15: J2.b18 J3.a12 U1.43 U2.1 U3.1 U4.90 U8.85
/VA16: J2.b19 J3.a14 U1.44 U4.91 U8.86
/VA17: J2.b20 J3.a16 U1.45 U4.92 U8.87
/VA18: J3.b6 U1.46 U4.93 U8.88
/VA19: J3.b7 U1.47 U4.94 U8.89
/VA20: J3.b8 U1.48 U4.95 U8.90
/VA21: C81.2 J3.b9 U1.50 U4.96 U8.91
/VA22: J3.b10 U1.51 U4.97 U8.92
/VA23: J3.b11 U1.52 U4.98 U8.93
/VCLK: J3.b19 U1.15 U4.123 U11.24
/VD0: J2.a4 J3.a20 U1.5 U2.11 U4.138 U8.55
/VD1: J2.a5 J3.a23 U1.4 U2.12 U4.139 U8.56
/VD2: J2.a6 J3.a26 U1.3 U2.13 U4.140 U8.57
/VD3: J2.a7 J3.a29 U1.2 U2.15 U4.141 U8.58
/VD4: J2.a8 J3.a28 U1.1 U2.16 U4.142 U8.59
/VD5: J2.a9 J3.a25 U1.64 U2.17 U4.143 U8.60
/VD6: J2.a10 J3.a22 U1.63 U2.18 U4.144 U8.61
/VD7: J2.a11 J3.a19 U1.62 U2.19 U4.145 U8.62
/VD8: J2.a13 J3.a21 U1.61 U3.11 U4.146 U8.63
/VD9: J2.a14 J3.a24 U1.60 U3.12 U4.147 U8.64
/VD10: J2.a15 J3.a27 U1.59 U3.13 U4.148 U8.65
/VD11: J2.a16 J3.a30 U1.58 U3.15 U4.149 U8.66
/VD12: J2.a17 J3.b25 U1.57 U3.16 U4.150 U8.67
/VD13: J2.a18 J3.b24 U1.56 U3.17 U4.151 U8.68
/VD14: J2.a19 J3.b23 U1.55 U3.18 U4.152 U8.69
/VD15: J2.a20 J3.b22 U1.54 U3.19 U4.153 U8.70
/VREF: C38.1 R29.1 U13.14 U14.6
/ZA0: R59.2 U4.47 U6.30 U7.10 U11.17
/ZA1: U4.46 U6.31 U7.9 U11.18
/ZA2: U4.45 U6.32 U7.8
/ZA3: U4.44 U6.33 U7.7
/ZA4: U4.43 U6.34 U7.6
/ZA5: U4.39 U6.35 U7.5
/ZA6: U4.38 U6.36 U7.4
/ZA7: U4.37 U6.37 U7.3
/ZA8: U4.36 U6.38 U7.25
/ZA9: U4.35 U6.39 U7.24
/ZA10: U4.34 U6.40 U7.21
/ZA11: U4.33 U6.1 U7.23
/ZA12: U4.32 U6.2 U7.2
/ZA13: U4.31 U6.3
/ZA14: U4.30 U6.4
/ZA15: U4.29 U6.5
/ZCLK: C88.1 U4.22 U6.6 U8.51
/ZD0: R77.2 U4.17 U6.14 U7.11 U11.2
/ZD1: R78.2 U4.16 U6.15 U7.12 U11.3
/ZD2: R79.2 U4.24 U6.12 U7.13 U11.4
/ZD3: R80.2 U4.27 U6.8 U7.15 U11.5
/ZD4: R81.2 U4.28 U6.7 U7.16 U11.6
/ZD5: R82.2 U4.26 U6.9 U7.17 U11.7
/ZD6: R83.2 U4.25 U6.10 U7.18 U11.8
/ZD7: R84.2 U4.18 U6.13 U7.19 U11.9
/~{ASEL}: J2.a22 J3.b26 U4.108
/~{AS}: C94.2 J3.b18 R68.1 U1.6 U4.125 U8.110
/~{CART}: C119.1 J3.b32 U4.3
/~{CAS0}: J2.a3 J3.b16 U4.113 U8.118
/~{CAS2}: C93.1 J2.b23 J3.b21 U4.111
/~{CE0}: J3.b17 U4.115
/~{DISK}: J2.b2 U4.104
/~{DTAK}: J3.b20 R8.1 U1.10 U4.129 U8.114
/~{EOE}: C117.1 JP7.1 U3.22 U4.119
/~{FDC}: J2.a24 U4.103
/~{FDHR}: J2.b24 U4.102
/~{HALT}: U1.17 U4.133
/~{HL}: U4.101 U8.44
/~{HSYNC}: C116.1 J3.b14 R67.1 U4.155 U8.43
/~{INTAK}: U4.157 U8.103
/~{INT}: R15.1 U6.16 U8.98
/~{IREQ}: U4.13 U6.20 U8.106
/~{JAP}: JP1.1 JP2.1 U4.72
/~{LDS}: U1.8 U4.126 U8.112
/~{LWR}: J2.b21 J3.b28 U2.27 U4.116 U8.116
/~{M1}: U4.6 U6.27 U8.109
/~{M3}: C77.2 J3.b30 U4.124 U8.45
/~{MREQ}: U4.14 U6.19
/~{MRES}: C64.1 D2.2 J3.b2 R1.2 R64.1
/~{NMI}: U4.15 U6.17
/~{NOE}: JP6.1 U2.22 U4.118
/~{OE0}: U4.112 U8.117
/~{R/W}: U1.9 U4.128 U8.113
/~{RAS0}: JP5.1 U2.20 U3.20 U8.119
/~{RAS2}: J2.a23 U4.110
/~{REF}: U4.5 U7.1
/~{ROM}: J2.a21 U4.107
/~{SOUND}: U4.156 U11.14
/~{SRES}: C85.2 C118.1 R65.2 U4.114 U8.47 U14.7
/~{TIME}: J3.b31 U4.109
/~{UDS}: U1.7 U4.127 U8.111
/~{UWR}: J2.b22 J3.b29 U3.27 U8.115
/~{VDPM}: U4.106 U8.102
/~{VPA}: U1.21 U4.135
/~{VRES}: J3.b27 U1.18 U4.134
/~{VSYNC}: C115.1 J3.b13 U8.41
/~{YS}: C110.1 J3.b12 U8.39
/~{ZBAK}: U4.10 U6.23
/~{ZRAM}: C114.1 U4.4 U7.20
/~{ZRD}: U4.12 U6.21 U7.22 U8.107 U11.16
/~{ZRES}: U4.7 U6.26 U11.11
/~{ZWR}: U4.11 U6.22 U7.27 U8.108 U11.15
MCLK: FB6.2 U4.2 U8.52
PA0: EM11.1 U4.50
PA1: EM12.1 U4.51
PA2: EM13.1 U4.52
PA3: EM4.1 U4.53
PA4: EM16.1 U4.48
PA5: EM8.1 U4.54
PA6: EM7.1 U4.49
PB0: EM21.1 U4.57
PB1: EM22.1 U4.58
PB2: EM23.1 U4.59
PB3: EM24.1 U4.60
PB4: EM26.1 U4.55
PB5: EM28.1 U4.61
PB6: EM27.1 U4.56
PC0: EM31.1 U4.62
PC1: EM32.1 U4.63
PC2: EM33.1 U4.64
PC3: EM34.1 U4.65
PC4: EM36.1 U4.66
PC5: EM38.1 U4.67
PC6: EM37.1 U4.68
Net-(C25-Pad1): C25.1 R17.2 R18.2
Net-(C26-Pad1): C26.1 R19.2 R20.2
Net-(C27-Pad1): C27.1 R21.2 R22.2
Net-(C28-Pad2): C28.2 C29.1 R23.2 R24.2
Net-(C30-Pad2): C30.2 R74.2 U14.1
Net-(C31-Pad1): C31.1 FB8.2
Net-(C32-Pad1): C32.1 FB9.2
Net-(C32-Pad2): C32.2 R25.1
Net-(C33-Pad2): C33.2 L7.2 R26.2
Net-(C35-Pad2): C35.2 L3.1 R27.2
Net-(C37-Pad1): C37.1 C96.2 L5.2 R28.2
Net-(C40-Pad1): C40.1 R34.1 R37.1
Net-(C41-Pad2): C41.2 R35.1
Net-(C42-Pad1): C42.1 R36.2
Net-(C43-Pad2): C43.2 R38.1
Net-(C44-Pad1): C44.1 R39.1
Net-(C50-Pad2): C50.2 FB11.2
Net-(C51-Pad2): C51.2 FB12.2
Net-(C61-Pad1): C61.1 R51.2
Net-(C62-Pad1): C62.1 R52.1
Net-(C86-Pad1): C86.1 R70.1
Net-(C86-Pad2): C86.2 FB13.2 R71.2
Net-(C87-Pad1): C87.1 FB14.1 R72.2 R73.2
Net-(C92-Pad2): C92.2 FB7.2 R85.2
Net-(C96-Pad1): C96.1 L7.1
Net-(EM4-Pad3): EM4.3 J5.4
Net-(EM5-Pad3): EM5.3 J5.5
Net-(EM7-Pad3): EM7.3 R4.1
Net-(EM8-Pad3): EM8.3 R5.1
Net-(EM11-Pad3): EM11.3 J5.1
Net-(EM12-Pad3): EM12.3 J5.2
Net-(EM13-Pad3): EM13.3 J5.3
Net-(EM16-Pad3): EM16.3 J5.6
Net-(EM21-Pad3): EM21.3 J6.1
Net-(EM22-Pad3): EM22.3 J6.2
Net-(EM23-Pad3): EM23.3 J6.3
Net-(EM24-Pad3): EM24.3 J6.4
Net-(EM25-Pad3): EM25.3 J6.5
Net-(EM26-Pad3): EM26.3 J6.6
Net-(EM27-Pad3): EM27.3 R6.2
Net-(EM28-Pad3): EM28.3 R7.2
Net-(EM31-Pad3): EM31.3 J4.5
Net-(EM32-Pad3): EM32.3 J4.4
Net-(EM33-Pad3): EM33.3 J4.3
Net-(EM34-Pad3): EM34.3 J4.2
Net-(EM35-Pad3): EM35.3 J4.1
Net-(EM36-Pad3): EM36.3 J4.9
Net-(EM37-Pad3): EM37.3 J4.8
Net-(EM38-Pad3): EM38.3 J4.6
Net-(FB3-Pad1): FB3.1 J5.8
Net-(FB4-Pad1): FB4.1 J6.8
Net-(FB5-Pad1): FB5.1 J4.7
Net-(FB8-Pad1): FB8.1 J1.1
Net-(FB9-Pad1): FB9.1 J1.3
Net-(FB10-Pad1): FB10.1 J1.4
Net-(J5-Pad7): J5.7 R4.2
Net-(J5-Pad9): J5.9 R5.2
Net-(J6-Pad7): J6.7 R6.1
Net-(J6-Pad9): J6.9 R7.1
Net-(J9-Pin_1): J9.1 J99.1 R3.2
Net-(J10-Pin_1): FB15.1 J10.1
Net-(J10-Pin_2): FB12.1 J10.2
Net-(J10-Pin_4): FB11.1 J10.4
Net-(J11-Pin_1): FB1.1 J11.1
Net-(J11-Pin_2): FB2.1 J11.2
Net-(J110-Pin_2): J8.R J110.2
Net-(J110-Pin_4): J8.T J110.4
Net-(OSC1-OUT): C82.1 FB6.1 OSC1.8 R69.1
Net-(OSC1-Vcontrol): C122.1 OSC1.1
Net-(R58-Pad1): R58.1 R66.1 RV1.3
Net-(RF1-+B): L6.2 RF1.1
Net-(RF1-AUDIO): FB14.2 RF1.3
Net-(RF1-VIDEO): FB13.1 RF1.2
Net-(SW1-B): C121.1 FB1.2 SW1.2
Net-(U4-EDCK): R85.1 U4.158
Net-(U4-~{WAIT}): U4.9 U6.24
Net-(U4-~{WRES}): C80.1 SW2.2 U4.23
Net-(U4-~{ZBR}): U4.8 U6.25
Net-(U8-B): R21.1 R55.2 U8.29
Net-(U8-CLK1): C78.1 U8.49
Net-(U8-G): R19.1 R56.2 U8.28
Net-(U8-R): R17.1 R57.2 U8.27
Net-(U8-SBCR): C102.1 R23.1 U8.50
Net-(U8-SOUND): C39.1 C40.2 R31.1 U8.95
Net-(U8-SPA/B): R14.1 U8.40
Net-(U10-SC): C106.1 U8.11 U9.7 U10.7
Net-(U10-~{CAS}): C108.1 U8.13 U9.24 U10.24
Net-(U10-~{DT}/~{OE}): C109.1 U8.16 U9.10 U10.10
Net-(U10-~{RAS}): C107.1 U8.12 U9.14 U10.14
Net-(U10-~{SE}): U8.10 U9.3 U10.3
Net-(U10-~{WB}/~{WE}): U8.15 U9.13 U10.13
Net-(U11-MOL): C41.1 R53.1 U11.21
Net-(U11-MOR): C43.1 R54.1 U11.20
Net-(U12-EQ_IN_(A)): C45.1 C46.1 R34.2 R35.2 R36.1 R40.1 R51.1 U12.2
Net-(U12-EQ_IN_(B)): C47.1 C48.1 R37.2 R38.2 R39.2 R41.1 R52.2 U12.7
Net-(U12-EQ_OUT_(A)): C45.2 R40.2 R42.2 U12.1
Net-(U12-EQ_OUT_(B)): C48.2 R41.2 R43.2 U12.8
Net-(U12-IN_(A)): C46.2 C47.2 C49.1 R58.2 U12.3 U12.5 U12.6 U14.3
Net-(U12-NF_(A)): C55.1 U12.15
Net-(U12-NF_(B)): C57.1 U12.10
Net-(U12-OUT_(A)): C50.1 C75.1 U12.14
Net-(U12-OUT_(B)): C11.1 C51.1 U12.11
Net-(U12-VOL_IN): C58.1 RV1.2 U12.9
Net-(U12-Vreg): C53.1 U12.16
Net-(U13-AUDIO_IN): C30.1 U13.8
Net-(U13-AUDIO_OUT): C31.2 C87.2 R72.1 U13.9
Net-(U13-B_IN): C27.2 U13.4
Net-(U13-B_OUT): J1.8 U13.21
Net-(U13-C_SYNC_IN): C103.1 C105.1 C113.1 J1.7 R16.2 U8.42 U13.10
Net-(U13-C_VIDEO_OUT): R25.2 R70.2 U13.20
Net-(U13-CHROMA_IN): C33.1 U13.17
Net-(U13-CHROMA_OUT): R28.1 U13.15
Net-(U13-G_IN): C26.2 U13.3
Net-(U13-G_OUT): J1.5 U13.22
Net-(U13-I_REF): C95.1 R30.2 U13.13
Net-(U13-R_IN): C25.2 U13.2
Net-(U13-R_OUT): J1.6 U13.23
Net-(U13-XO_IN): C28.1 U13.6
Net-(U13-Y_IN): C34.1 C35.1 L3.2 R29.2 U13.18
Net-(U13-Y_OUT): R27.1 U13.16
Net-(U14A--): R42.1 R43.1 R74.1 U14.2
Net-(U14B-+): R64.2 R65.1 U14.5

Pads without a net: J2 a2 a27 b25 b27; J10 3; J110 3; SW1 3; U1 19 20 26; U6 18 28; U8 9 14 18 19 20 21 22 23 24 25 120 121 122 123 124 125 126 127; U11 10 13; U13 5 11

## Via types
v1: diameter 0.8, hole 0.4, Top to Bottom, 785 vias

## Routing (per net, layer and track width the routed paths; a pad name or vN(x,y) marks a point on that pad's centre or on a via; arc(x,y) is an arc through that point)
+9V: length 232.1
  Top w1: v1(18.29,107.32) v1(18.29,108.84) 18.29,116.71 18.92,117.35 v1(20.19,117.35) ; 14.56,58.67 14.56,60.15 16.89,62.48 16.89,65.02 15.88,66.04 12.45,66.04 11.68,66.8 11.68,69.85 12.83,70.99 14.73,70.99 15.37,71.63 15.37,84.71 13.97,86.11 13.21,86.11 ; 14.56,58.67 C1.1 ; 14.56,58.67 19.3,58.67 19.94,59.31 19.94,61.6 19.3,62.23 19.3,64.52 20.83,66.04 23.75,66.04 24.64,65.15 24.64,53.47 25.53,52.58 32.39,52.58 33.4,51.56 33.4,42.93 34.04,42.29 42.04,42.29 45.85,38.48 45.85,31.75 47.75,29.85 47.75,23.88 ; 47.75,23.88 D3.1 ; 47.75,23.88 D1.1
  Bottom w1: 13.21,86.11 13.84,86.11 16.13,88.39 16.13,90.93 16.64,91.44 16.64,94.49 18.29,96.14 v1(18.29,108.84) ; 11.3,119.91 C83.1 11.3,126.62 8.64,129.29 8.64,133.99 6.48,136.14 6.48,143.76 8.76,146.05 8.76,148.97 9.78,149.99 U15.1 13.34,149.99 14.35,148.97 14.35,135.13 19.18,130.3 19.18,118.36 v1(20.19,117.35) ; C2.1 11.81,150.36
+9VA: length 389.8
  Top w0.5: 76.2,38.74 76.58,39.12
  Top w1: 78.49,43.31 76.58,43.31 ; 78.49,43.31 78.49,39.62 76.2,37.34 76.2,35.56 ; 78.49,43.31 v1(78.49,43.94) ; 76.58,43.31 76.58,39.12 ; 76.58,43.31 v1(76.58,43.94) ; J2.a28 225.93,145.54 v1(225.81,145.42) ; 76.2,35.56 74.42,35.56 ; 76.2,35.56 v1(76.2,34.93) ; 74.42,35.56 74.42,36.96 76.2,38.74 ; 74.42,35.56 v1(74.42,34.93) ; v1(44.32,29.97) 44.32,37.21 43.69,37.85 34.16,37.85 31.75,40.26 31.75,44.03 ; D3.2 D1.2 ; v1(220.35,146.94) 220.35,144.02 v1(220.35,145.03)
  Top w2: v1(190.5,36.96) 190.88,36.58 193.8,36.58 194.56,37.34 194.56,42.93 195.45,43.82 199.39,43.82 203.45,47.88 203.45,60.71 214.63,71.88 214.63,83.57 217.68,86.61 217.68,127.25 220.35,129.92 v1(220.35,146.94)
  Bottom w0.5: v1(76.58,43.94) 76.71,44.07 ; 141.35,44.07 141.48,43.94 ; v1(220.35,146.94) v1(220.35,145.03)
  Bottom w1: v1(220.35,145.03) 220.73,145.42 222,145.42 ; v1(45.72,28.58) 45.72,26.92 43.94,25.15 43.94,19.3 44.45,18.8 D3.2 ; v1(45.72,28.58) 55.25,28.58 56.39,29.72 56.39,31.88 57.53,33.02 69.47,33.02 71.37,34.93 v1(74.42,34.93) v1(76.2,34.93) ; v1(45.72,28.58) v1(44.32,29.97) ; J2.a28 225.93,145.54 v1(225.81,145.42) 222,145.42 ; 154.81,38.99 154.81,42.42 153.04,44.2 147.19,44.2 146.56,44.83 142.37,44.83 141.48,43.94 ; C91.1 218.69,148.6 v1(220.35,146.94) 221.87,145.42 222,145.42
  Bottom w2: 154.81,38.99 156.85,36.96 v1(190.5,36.96) v1(192.53,36.96) ; 76.71,44.07 141.35,44.07
